# Altium PCB GameBoard_V1I1.PcbDoc (part 10 of 22) (continued)
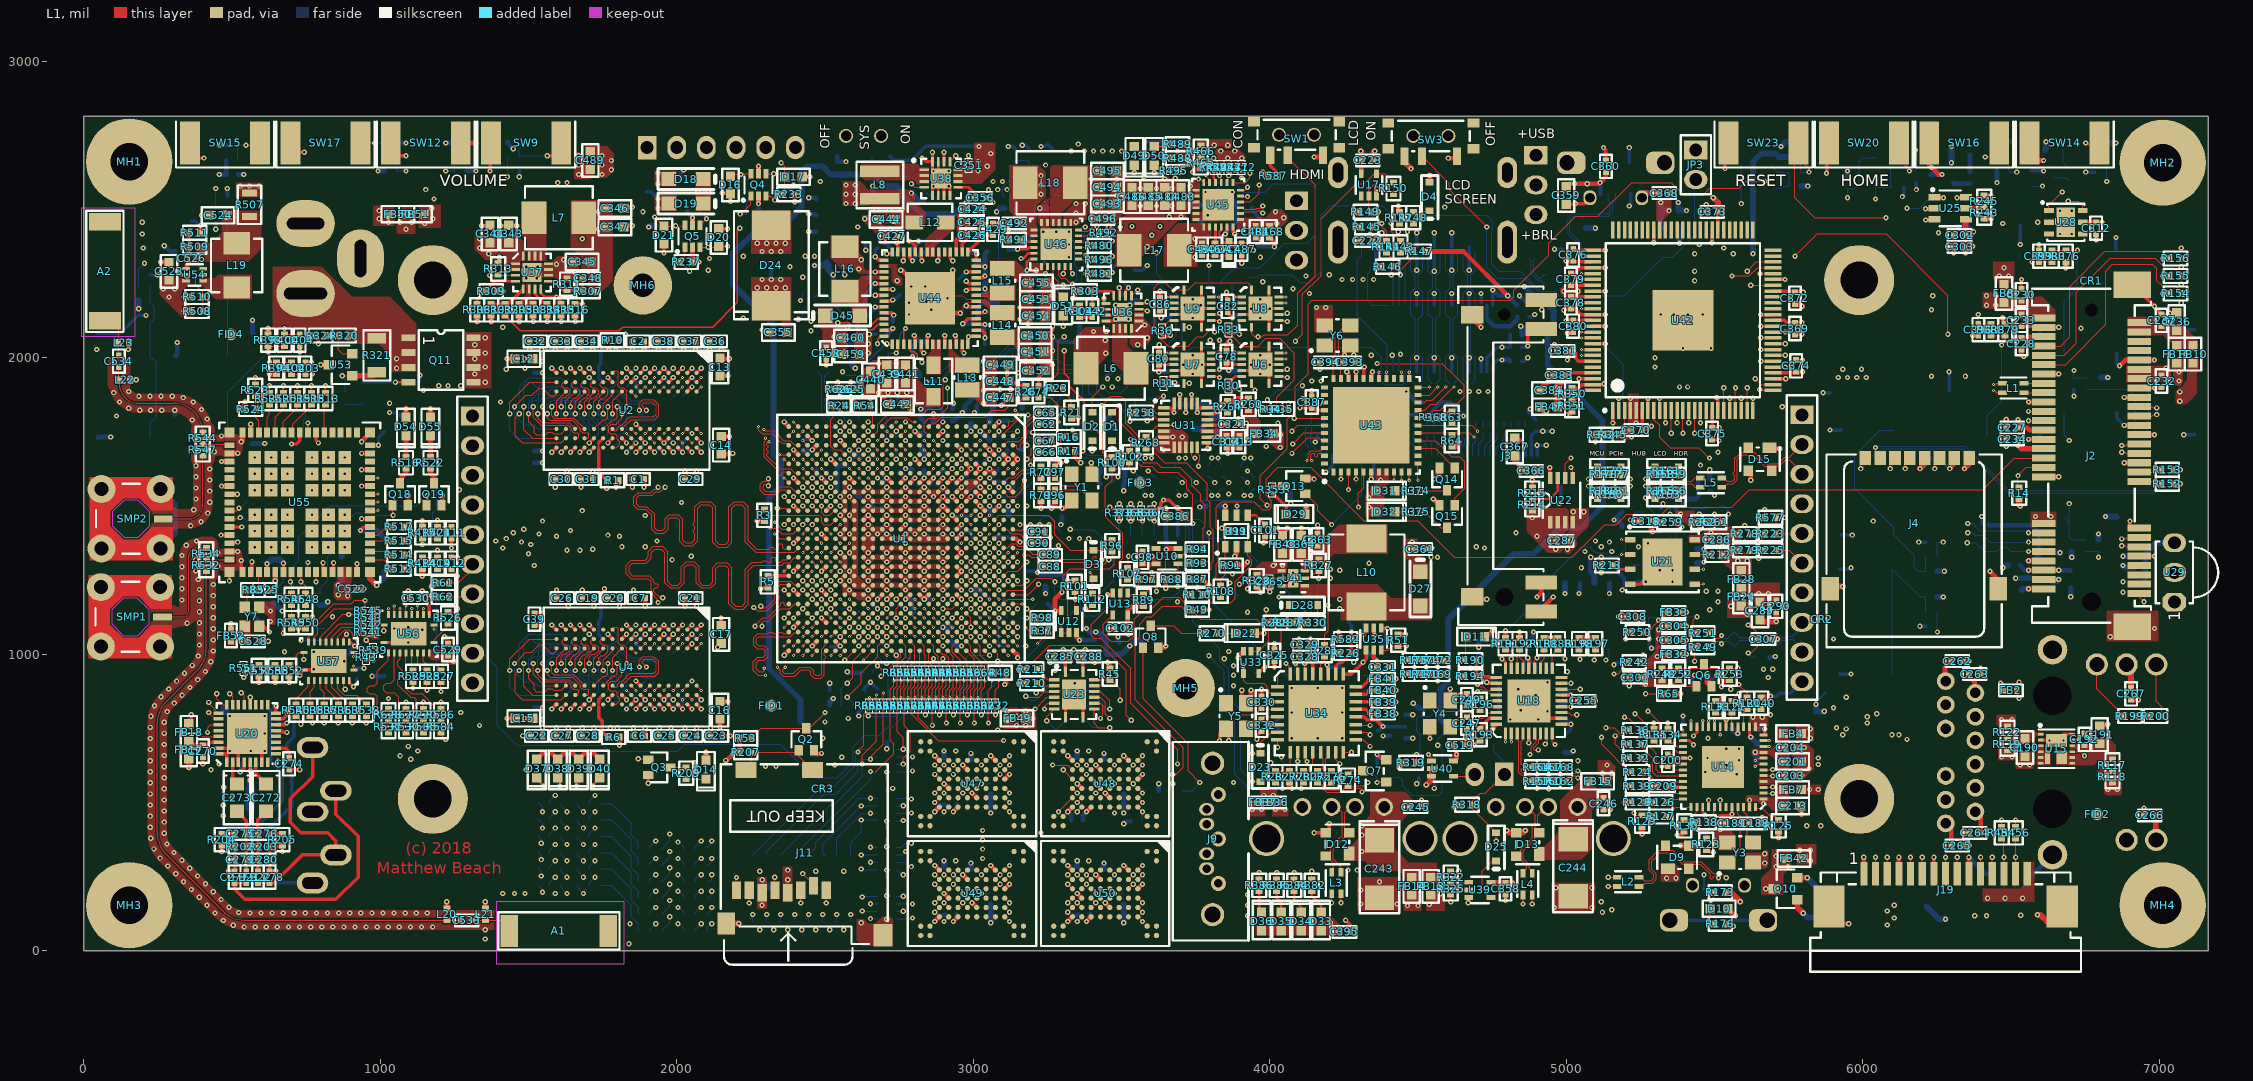
[diagram p0: L1 view]
## Nets (pads, with @x,y where several pads share a name; then routed paths per layer and width w, separated by ;. In a path a pad name is that pad's centre, name@x,y a point inside that pad or via, vN(x,y) a via of type N, cw(c..) or ccw(c..) an arc to the next point about the centre after c; other vN are vias at no path point) (continued)
  L2 w3.15: v3(2519.69,1279.53) v4(2531.5,1267.72)
  L12 w3.15: v2(1736.22,968.5) 1736.29,938.98 1767.78,907.48 1767.78,877.95 U5.L2@1752.03,862.2 ; v2(1736.22,1834.65) 1736.29,1805.12 1767.78,1773.62 1767.78,1744.09 U3.L2@1752.03,1728.35
DRAM_D0: U1.AD2 U2.D7 | length 687.5
  L1 w3.15: v3(1956.69,1744.1) U2.D7@1972.44,1759.84 ; U1.AD2@2409.45,1736.22 v3(2425.2,1751.97)
  L3 w3.15: v4(1972.44,1728.35) 1972.44,1672.24 2010.83,1633.86 2260.15,1633.86 2287.71,1661.42 2398.16,1661.42 2425.2,1688.46 2425.2,1712.6 2413.39,1724.41 v4(2413.39,1740.16)
  L2 w3.15: v3(1956.69,1744.1) v4(1972.44,1728.35) ; v4(2413.39,1740.16) v3(2425.2,1751.97)
DRAM_D1: U1.AE2 U2.B8 | length 689.7
  L1 w3.15: v4(2035.43,1728.35) v3(2051.18,1712.6) ; U1.AE2@2377.95,1736.22 v3(2393.7,1751.97)
  L3 w3.15: v4(2035.43,1728.35) 2066.93,1696.85 2102.36,1696.85 2121.17,1678.04 2121.17,1663.49 2135.05,1649.61 2204.11,1649.61 2210.01,1655.51 2210.01,1695.48 2215.92,1701.39 2227.73,1701.39 2233.63,1695.48 2233.63,1655.51 2239.54,1649.61 2250,1649.61 2255.91,1655.51 2255.91,1699.8 2260.83,1704.73 2272.64,1704.73 2277.56,1699.8 2277.56,1686.02 2282.48,1681.1 2293.31,1681.1 2299.21,1687.01 2299.21,1696.85 2305.12,1702.76 2317.91,1702.76 2322.83,1697.83 2322.83,1690.93 2328.74,1685.03 2340.55,1685.03 2346.46,1690.93 2346.46,1698.82 2356.3,1708.66 2365.16,1708.66 2381.89,1725.39 v4(2381.89,1740.16)
  L2 w3.15: v4(2035.43,1728.35) v3(2051.18,1712.6) ; v4(2381.89,1740.16) v3(2393.7,1751.97)
DRAM_D2: U1.AC4 U2.C8 | length 688.6
  L1 w3.15: v4(2003.94,1728.35) v3(2019.68,1712.6) ; v3(2425.2,1688.98) U1.AC4@2440.94,1673.23
  L3 w3.15: v4(2003.94,1728.35) 2018.7,1728.35 2029.53,1717.52 2029.53,1706.69 2019.68,1696.85 2011.81,1696.85 2003.94,1688.98 2003.94,1657.48 2019.68,1641.73 2030.51,1641.73 2036.42,1647.64 2036.42,1655.68 2042.32,1661.58 2054.13,1661.58 2060.04,1655.68 2060.04,1647.64 2065.95,1641.73 2077.76,1641.73 2083.66,1647.64 2083.66,1655.68 2089.57,1661.58 2101.38,1661.58 2107.28,1655.68 2107.28,1647.64 2113.19,1641.73 2256.89,1641.73 2284.45,1669.29 2394.89,1669.29 2413.39,1687.78 v4(2413.39,1700.79)
  L2 w3.15: v4(2003.94,1728.35) v3(2019.68,1712.6) ; v4(2413.39,1700.79) v3(2425.2,1688.98)
DRAM_D3: U1.AA5 U2.A3 | length 690.1
  L1 w3.15: U2.A3@2066.93,1885.83 v3(2082.68,1901.57) ; v3(2488.19,1657.48) U1.AA5@2503.94,1641.73
  L3 w3.15: v4(2098.42,1917.32) 2098.42,1926.18 2125.98,1953.74 2329.72,1953.74 2480.32,1803.15 2480.32,1736.34 2488.19,1728.47 2488.19,1695.9 2476.38,1684.09 v4(2476.38,1669.29)
  L2 w3.15: v3(2082.68,1901.57) v4(2098.42,1917.32) ; v4(2476.38,1669.29) v3(2488.19,1657.48)
DRAM_D4: U1.AC1 U2.C2 | length 690.1
  L1 w3.15: v4(2003.94,1917.32) v3(2019.68,1933.07) ; U1.AC1@2440.94,1767.72 v3(2456.69,1751.97)
  L3 w3.15: v4(2003.94,1917.32) 2034.45,1886.81 2057.3,1886.81 2065.17,1894.68 2111.22,1894.68 2129.92,1913.39 2185.04,1913.39 2204.72,1933.07 2256.76,1933.07 2262.67,1927.17 2262.67,1912.89 2268.58,1906.98 2280.39,1906.98 2286.29,1912.89 2286.29,1927.17 2292.2,1933.07 2302.17,1933.07 2337.01,1898.23 2353.74,1898.23 2444.88,1807.09 v4(2444.88,1763.78)
  L2 w3.15: v4(2003.94,1917.32) v3(2019.68,1933.07) ; v4(2444.88,1763.78) v3(2456.69,1751.97)
DRAM_D5: U1.AD1 U2.C3 | length 689.1
  L1 w3.15: v4(2003.94,1885.83) v3(2019.68,1901.57) ; v3(2393.7,1783.47) U1.AD1@2409.45,1767.72
  L3 w3.15: v4(2003.94,1885.83) 2010.83,1878.94 2060.56,1878.94 2065.48,1883.86 2121.06,1883.86 2129.92,1892.72 2129.92,1899.22 2135.83,1905.13 2147.64,1905.13 2153.54,1899.22 2153.54,1885.23 2159.45,1879.32 2171.26,1879.32 2177.17,1885.23 2177.17,1899.22 2183.07,1905.13 2194.88,1905.13 2200.79,1899.22 2200.79,1885.23 2206.69,1879.32 2218.5,1879.32 2224.41,1885.23 2224.41,1909.06 2230.31,1914.97 2242.13,1914.97 2248.03,1909.06 2248.03,1896.26 2253.94,1890.35 2345.19,1890.35 2405.51,1830.03 v4(2405.51,1771.65)
  L2 w3.15: v4(2003.94,1885.83) v3(2019.68,1901.57) ; v3(2393.7,1783.47) v4(2405.51,1771.65)
DRAM_D6: U1.AB4 U2.A2 | length 688.2
  L1 w3.15: v4(2066.93,1917.32) v3(2082.68,1933.07) ; U1.AB4@2472.44,1673.23 v3(2488.19,1688.98)
  L3 w3.15: v4(2066.93,1917.32) 2079.72,1904.53 2107.28,1904.53 2126.97,1924.21 2180.12,1924.21 2200.79,1944.88 2284.53,1944.88 2296.34,1944.88 2319.96,1944.88 2327.45,1944.88 2331.62,1940.71 2331.62,1932.35 2329.29,1930.02 2329.29,1921.67 2337.64,1913.31 2345.99,1913.31 2348.33,1915.65 2356.68,1915.65 2386.16,1886.16 2464.57,1807.76 2464.57,1736.22 2476.38,1724.41 v4(2476.38,1700.79)
  L2 w3.15: v4(2066.93,1917.32) v3(2082.68,1933.07) ; v4(2476.38,1700.79) v3(2488.19,1688.98)
DRAM_D7: U1.AE4 U2.A7 | length 690
  L1 w3.15: v4(2066.93,1759.84) v3(2082.68,1744.1) ; v3(2346.46,1673.23) U1.AE4@2377.95,1673.23
  L3 w3.15: v4(2066.93,1759.84) 2066.93,1750.98 2100.79,1717.13 2115.55,1717.13 2121.46,1723.03 2121.46,1737.21 2127.36,1743.12 2139.17,1743.12 2145.08,1737.21 2145.08,1670.93 2150.99,1665.02 2162.8,1665.02 2168.7,1670.93 2168.7,1709.06 2176.18,1716.53 2338.58,1716.53 2346.46,1724.41 2346.46,1744.09 2354.33,1751.97 2389.76,1751.97 2397.64,1744.09 2397.64,1724.41 2397.64,1715.97 2366.7,1685.04 v4(2358.27,1685.04)
  L2 w3.15: v4(2066.93,1759.84) v3(2082.68,1744.1) ; v3(2346.46,1673.23) v4(2358.27,1685.04)
DRAM_D8: U1.AD5 U2.E3 | length 1117.4
  L1 w3.15: v4(1940.94,1885.83) v3(1956.69,1901.57) ; v3(2393.7,1657.48) U1.AD5@2409.45,1641.73
  L3 w3.15: v4(1940.94,1885.83) v3(1956.69,1901.57) 1970.47,1901.57 1977.36,1908.46 1977.36,1920.28 1972.44,1925.2 1972.44,1972.44 1981,1981 2149.6,1981 2158.16,1972.44 2193.9,1972.44 2199.8,1972.44 2205.71,1978.35 2205.71,1984.56 2211.61,1990.47 2223.43,1990.47 2229.33,1984.56 2229.33,1978.35 2235.24,1972.44 2247.05,1972.44 2252.95,1978.35 2252.95,1984.56 2258.86,1990.47 2270.67,1990.47 2276.57,1984.56 2276.57,1978.35 2282.48,1972.44 2294.29,1972.44 2300.2,1978.35 2300.2,1984.56 2306.1,1990.47 2317.91,1990.47 2323.82,1984.56 2323.82,1978.35 2329.72,1972.44 2496.06,1806.1 2496.06,1692.63 2488.19,1684.76 2488.19,1664.4 2481.27,1657.48 2468.5,1657.48 2452.76,1673.23 2433.07,1673.23 2425.2,1665.35 2425.2,1652.8 2418.06,1645.67 v4(2405.51,1645.67)
  L2 w3.15: v4(1940.94,1885.83) v3(1956.69,1901.57) ; v3(2393.7,1657.48) v4(2405.51,1645.67)
DRAM_D9: U1.AE5 U2.F7 | length 1114
  L1 w3.15: v3(1893.7,1744.1) v4(1909.45,1759.84) ; v3(2362.2,1657.48) U1.AE5@2377.95,1641.73
  L3 w3.15: v4(1909.45,1759.84) 1929.13,1740.16 1929.13,1706.69 1919.29,1696.85 1822.83,1696.85 1814.96,1688.98 1814.96,1675.97 1825.58,1665.35 1855.1,1665.35 1861.01,1659.45 1861.01,1616.5 1866.92,1610.59 1878.73,1610.59 1884.63,1616.5 1884.63,1659.45 1890.54,1665.35 1927.63,1665.35 1931.8,1661.18 1931.8,1652.83 1906.17,1627.19 1906.17,1618.84 1914.52,1610.49 1922.87,1610.49 1968.54,1656.16 1976.89,1656.16 1985.24,1647.8 1985.24,1639.45 1973.56,1627.77 1973.56,1619.42 1989.98,1603 2247.68,1603 2290.35,1645.67 v4(2374.02,1645.67)
  L2 w3.15: v3(1893.7,1744.1) v4(1909.45,1759.84) ; v3(2362.2,1657.48) v4(2374.02,1645.67)
DRAM_D10: U1.AA6 U2.G2 | length 1117.8
  L1 w3.15: v3(1862.21,1901.58) v4(1877.95,1917.32) ; v3(2488.19,1625.98) U1.AA6@2503.94,1610.24
  L3 w3.15: v4(1877.95,1917.32) 1877.95,1972.44 1893.7,1988.19 1918.31,2012.8 2155.98,2012.8 2163.85,2020.67 2332.89,2020.67 2519.69,1833.88 2519.69,1693.59 2534.45,1678.83 2534.45,1648.62 v4(2500,1614.17)
  L2 w3.15: v3(1862.21,1901.58) v4(1877.95,1917.32) ; v3(2488.19,1625.98) v4(2500,1614.17)
DRAM_D11: U1.AE7 U2.H7 | length 1117.2
  L1 w3.15: v4(1846.46,1759.84) v3(1862.2,1744.1) ; v3(2362.2,1594.49) U1.AE7@2377.95,1578.74
  L3 w3.15: v4(1846.46,1759.84) 1846.46,1785.43 1836.61,1795.28 1735.05,1795.28 1720.47,1780.7 1720.47,1637.96 1780.67,1577.76 1966.75,1577.76 1977.57,1566.93 2263.57,1566.93 2306.88,1610.24 2324.8,1610.24 2330.71,1604.33 2330.71,1586.61 2334.65,1582.68 2346.46,1582.68 2354.33,1590.55 2366.14,1590.55 v4(2374.02,1582.68)
  L2 w3.15: v4(1846.46,1759.84) v3(1862.2,1744.1) ; v3(2362.2,1594.49) v4(2374.02,1582.68)
DRAM_D12: U1.AB5 U2.H3 | length 1113.3
  L1 w3.15: v4(1846.46,1885.83) v3(1862.2,1870.08) ; v3(2456.69,1657.48) U1.AB5@2472.44,1641.73
  L3 w3.15: v4(1846.46,1885.83) 1846.46,1893.7 1854.33,1901.57 1933.07,1901.57 1940.95,1909.45 1940.95,1972.44 1960.63,1992.13 2149.61,1992.13 2160.43,1981.3 2183.28,1981.3 2205.92,2003.94 2321.06,2003.94 2503.94,1821.06 2503.94,1689.37 2496.06,1681.5 2496.06,1661.14 2480.59,1645.67 v4(2468.5,1645.67)
  L2 w3.15: v4(1846.46,1885.83) v3(1862.2,1870.08) ; v3(2456.69,1657.48) v4(2468.5,1645.67)
DRAM_D13: U1.AC5 U2.F2 | length 1117.2
  L1 w3.15: v4(1909.45,1917.32) v3(1925.2,1933.07) ; v3(2425.2,1657.48) U1.AC5@2440.94,1641.73
  L3 w3.15: v4(1909.45,1917.32) 1921.26,1929.13 1921.26,1941.93 1910.43,1952.76 1910.43,1977.36 1917.32,1984.25 1937.01,1984.25 1955.76,2003 2157.32,2003 2167.11,2012.8 2326.2,2012.8 2511.81,1827.19 2511.81,1679.19 2503.94,1671.32 2503.94,1635.83 2497.05,1628.94 2455.82,1628.94 2439.09,1645.67 v4(2437.01,1645.67)
  L2 w3.15: v4(1909.45,1917.32) v3(1925.2,1933.07) ; v3(2425.2,1657.48) v4(2437.01,1645.67)
DRAM_D14: U1.AB6 U2.F8 | length 1136.9
  L1 w3.15: v4(1909.45,1728.35) v3(1925.2,1712.6) ; v3(2456.69,1625.98) U1.AB6@2472.44,1610.24 v3(2456.69,1625.98)
  L3 w3.15: v4(1909.45,1728.35) 1825.58,1728.35 1779.53,1682.3 1779.53,1615.24 1792.4,1602.36 1803.15,1602.36 1809.06,1602.36 1814.96,1608.27 1814.96,1649.68 1820.87,1655.59 1832.68,1655.59 1838.58,1649.68 1838.58,1608.27 1844.49,1602.36 1862.2,1602.36 1909.45,1602.36 1979.48,1602.36 1987.84,1594 2252.46,1594 2292.32,1633.86 2439.76,1633.86 2459.45,1614.17 v4(2468.5,1614.17)
  L2 w3.15: v4(1909.45,1728.35) v3(1925.2,1712.6) ; v3(2456.69,1625.98) v4(2468.5,1614.17)
DRAM_D15: U1.AC7 U2.H8 | length 1116.9
  L1 w3.15: v3(1830.71,1744.09) U2.H8@1846.46,1728.35 ; v3(2425.2,1594.49) U1.AC7@2440.94,1578.74
  L3 w3.15: v4(1814.96,1759.84) 1822.83,1767.72 1822.83,1777.42 1816.79,1783.46 1791.34,1783.46 1783.46,1775.59 1783.46,1759.84 1775.59,1751.97 1767.72,1751.97 1760.04,1759.65 1760.04,1775.39 1751.97,1783.46 1740.16,1783.46 1732.45,1775.75 1732.45,1759.84 1740.16,1752.13 1740.16,1744.09 1732.45,1736.38 1732.45,1640.05 1785.88,1586.61 1970.39,1586.61 1981,1576 2259.07,1576 2301.18,1618.11 2349.72,1618.11 2358.58,1609.25 2410.43,1609.25 v4(2413.39,1606.3)
  L2 w3.15: v4(1814.96,1759.84) v3(1830.71,1744.09) ; v4(2413.39,1606.3) v3(2425.2,1594.49)
DRAM_D16: U1.AB7 U3.E3 | length 1122.3
  L1 w3.15: v2(2456.69,1594.49) U1.AB7@2472.44,1578.74
  L10 w3.15: v6(1940.94,1759.84) 1952.76,1748.03 1976.38,1748.03 1984.25,1740.16 1984.25,1729.54 1972.44,1717.73 1972.44,1673.23 1960.63,1661.42 1960.63,1649.61 2011.81,1598.43 2031.5,1598.43 2247.17,1382.76 2260.77,1382.76 ; 2260.91,1382.62 2266.6,1388.32 2266.6,1399.58 2272.44,1405.42 2284.11,1405.42 2289.95,1399.58 2289.95,1388.32 2295.79,1382.48 2307.46,1382.48 2313.3,1388.32 2313.3,1399.58 2319.13,1405.42 2445.99,1405.42 2472.44,1431.88 2472.44,1444.88 2464.57,1452.76 2464.57,1472.44 2476.38,1484.25 2497.05,1484.25 2504.92,1492.13 2504.92,1503.95 2502.95,1505.92 2502.95,1506.12 2494.3,1514.76 2481.3,1514.76 2472.44,1523.62 2472.44,1568.12 2456.69,1583.87 v2(2456.69,1594.49)
  L11 w3.15: v5(1925.2,1744.09) v6(1940.94,1759.84)
  L12 w3.15: v5(1925.2,1744.09) v6(1940.94,1759.84)
DRAM_D17: U1.AA8 U3.F8 | length 1124.1
  L1 w3.15: v2(2488.19,1562.99) U1.AA8@2503.94,1547.24
  L10 w3.15: v6(1909.45,1917.32) 1889.76,1897.64 1881.89,1897.64 1874.02,1905.51 1874.02,1921.95 1878.94,1926.88 1878.94,1976.69 1915.05,2012.8 2156.56,2012.8 2156.72,2012.96 ; 2156.53,2013.15 2170.94,2027.56 2213.27,2027.56 2425.2,1815.64 2425.2,1748.03 2421.26,1744.09 2421.26,1720.47 2429.13,1712.6 2429.13,1662.87 2473.42,1618.58 2473.42,1588.37 2488.19,1573.61 v2(2488.19,1562.99)
  L11 w3.15: v6(1909.45,1917.32) v5(1925.2,1933.07)
  L12 w3.15: v6(1909.45,1917.32) v5(1925.2,1933.07)
DRAM_D18: U1.AB9 U3.H7 | length 1123.8
  L1 w3.15: v2(2456.69,1531.5) U1.AB9@2472.44,1515.75
  L10 w3.15: v6(1846.46,1885.83) 1887.8,1885.83 1928.15,1845.47 1947.83,1845.47 1960.63,1858.27 1960.63,1912.4 1972.44,1924.21 1972.44,1972.44 1979.33,1979.33 2095.47,1979.33 2102.36,1972.44 2196.85,1972.44 2376.97,1792.32 2376.97,1674.21 2421.26,1629.92 2421.26,1582.68 2409.45,1570.87 2409.45,1556.1 2418.31,1547.24 2440.95,1547.24 v2(2456.69,1531.5)
  L11 w3.15: v6(1846.46,1885.83) v5(1862.2,1870.08)
  L12 w3.15: v6(1846.46,1885.83) v5(1862.2,1870.08)
DRAM_D19: U1.Y9 U3.H3 | length 1124.5
  L1 w3.15: U1.Y9@2535.43,1515.75 v2(2551.18,1500)
  L10 w3.15: v6(1846.46,1728.35) 1846.46,1740.16 1852.36,1746.06 1899.61,1746.06 1909.45,1736.22 1909.45,1655.61 1990.26,1574.8 2030.82,1574.8 2238.89,1366.73 2365.54,1366.73 2387.59,1388.78 2518.7,1388.78 2535.43,1405.51 2535.43,1421.26 2543.31,1429.13 2553.15,1429.13 2560.04,1436.02 2560.04,1443.9 2553.15,1450.79 2541.34,1450.79 2535.43,1456.69 2535.43,1473.12 2536.42,1474.1 2536.42,1474.62 2551.18,1489.38 v2(2551.18,1500)
  L11 w3.15: v6(1846.46,1728.35) v5(1862.2,1744.09)
  L12 w3.15: U3.H3@1846.46,1759.84 v5(1862.2,1744.09)
DRAM_D20: U1.Y7 U3.H8 | length 1124.1
  L1 w3.15: v2(2519.69,1562.99) U1.Y7@2535.43,1578.74
  L10 w3.15: v6(1846.46,1917.32) 1846.46,1976.38 1859.27,1989.19 1875.02,1989.19 1928.15,2042.32 2209.65,2042.32 2437.01,1814.96 2437.01,1669.29 2503.94,1602.36 2503.94,1578.74 v2(2519.69,1562.99)
  L11 w3.15: v5(1830.71,1901.58) v6(1846.46,1917.32)
  L12 w3.15: v5(1830.71,1901.58) v6(1846.46,1917.32)
DRAM_D21: U1.Y8 U3.G2 | length 1124.4
  L1 w3.15: v2(2519.69,1531.5) U1.Y8@2535.43,1547.24
  L10 w3.15: v6(1877.95,1728.35) 1877.95,1675.97 1986.99,1566.93 2027.56,1566.93 2235.63,1358.86 2399.42,1358.86 2418.52,1377.95 2551.18,1377.95 2567.91,1394.68 2567.91,1504.15 2557.3,1514.76 2547.03,1514.76 2530.3,1531.5 v2(2519.69,1531.5)
  L11 w3.15: v6(1877.95,1728.35) v5(1893.7,1744.09)
  L12 w3.15: v6(1877.95,1728.35) v5(1893.7,1744.09)
DRAM_D22: U1.AC8 U3.F7 | length 1123.2
  L1 w3.15: v2(2425.2,1562.99) U1.AC8@2440.94,1547.24
  L10 w3.15: v6(1909.45,1885.83) 1925.2,1870.08 1944.88,1870.08 1952.76,1877.95 1952.76,1907.48 1940.95,1919.29 1940.95,1984.25 1950.79,1994.09 2101.38,1994.09 2115.16,1980.31 2130.91,1980.31 2140.75,1990.16 2156.5,1990.16 2166.34,1980.31 2200.79,1980.31 2278.25,1902.86 2287.97,1902.86 2296.33,1911.21 2304.58,1911.21 2312.84,1902.96 2312.84,1894.7 2304.48,1886.35 2304.48,1878.09 2312.73,1869.84 2320.99,1869.84 2329.35,1878.2 2337.6,1878.2 2345.85,1869.94 2345.85,1861.69 2337.5,1853.33 2337.5,1845.08 2345.75,1836.82 2354.01,1836.82 2362.36,1845.18 2370.62,1845.18 2378.87,1836.92 2378.87,1828.67 2370.51,1820.31 2370.51,1812.06 2389.76,1792.81 2389.76,1716.54 2409.72,1696.57 2409.72,1660.01 2429.13,1640.6 2429.13,1566.93 v2(2425.2,1562.99)
  L11 w3.15: v5(1893.7,1901.57) v6(1909.45,1885.83)
  L12 w3.15: v5(1893.7,1901.57) v6(1909.45,1885.83)
DRAM_D23: U1.AA9 U3.F2 | length 1121.9
  L1 w3.15: v2(2488.19,1531.5) U1.AA9@2503.94,1515.75
  L10 w3.15: v6(1940.94,1728.35) 1933.07,1720.47 1933.07,1700.79 1940.94,1692.91 1940.94,1675.81 1931.8,1666.66 1931.8,1646.94 1952.76,1625.98 1968.5,1625.98 1980.32,1614.17 1980.32,1598.43 1992.13,1586.61 2032.17,1586.61 2243.63,1375.16 ; 2243.63,1374.88 2243.9,1374.61 2315.55,1374.61 2337.6,1396.65 2452.97,1396.65 2477.57,1421.26 2496.06,1421.26 2507.87,1409.45 2519.69,1409.45 2527.56,1417.32 2527.56,1437.01 2519.68,1444.88 2492.13,1444.88 2484.25,1452.76 2484.25,1460.63 2492.13,1468.5 2519.68,1468.5 2527.56,1476.38 2527.56,1487 2535.43,1494.87 2535.43,1506.58 2526.27,1515.75 2514.55,1515.75 2498.81,1531.5 v2(2488.19,1531.5)
  L11 w3.15: v5(1925.2,1712.6) v6(1940.94,1728.35)
  L12 w3.15: U3.F2@1909.45,1728.35 v5(1925.2,1712.6)
DRAM_D24: U1.AE9 U3.D7 | length 824.9
  L1 w3.15: v2(2362.2,1531.5) U1.AE9@2377.95,1515.75
  L10 w3.15: v6(1972.44,1885.83) 1992.13,1905.51 2014.76,1905.51 2033.46,1886.81 2057.3,1886.81 2076,1905.51 2082.68,1905.51 2107.2,1905.51 2113.11,1899.61 2113.11,1888.78 2119.01,1882.87 2130.82,1882.87 2136.73,1888.78 2136.73,1899.61 2142.64,1905.51 2154.45,1905.51 2160.35,1899.61 2160.35,1888.78 2166.26,1882.87 2178.07,1882.87 2183.97,1888.78 2183.97,1899.61 2189.88,1905.51 2195.79,1905.51 2204.72,1905.51 2314.96,1795.28 2314.96,1645.67 2361.93,1598.7 2361.93,1531.77 v2(2362.2,1531.5)
  L11 w3.15: v5(1956.69,1901.57) v6(1972.44,1885.83)
  L12 w3.15: v5(1956.69,1901.57) v6(1972.44,1885.83)
DRAM_D25: U1.Y10 U3.A7 | length 826.4
  L1 w3.15: v2(2488.19,1500) 2488.19,1476.38 2496.06,1468.5 2515.75,1468.5 2531.5,1484.25 U1.Y10@2535.43,1484.25
  L10 w3.15: v6(2098.43,1917.32) 2108.27,1927.17 2130.82,1927.17 2142.64,1915.35 2206.02,1915.35 2322.83,1798.54 2322.83,1649.61 2369.8,1602.64 2369.8,1579.02 2382.87,1565.94 2382.87,1548.23 2378.94,1544.29 2378.94,1525.38 2388.57,1515.75 2461.82,1515.75 2477.57,1500 v2(2488.19,1500)
  L11 w3.15: v5(2082.68,1901.57) v6(2098.43,1917.32)
  L12 w3.15: U3.A7@2066.93,1885.83 v5(2082.68,1901.57)
DRAM_D26: U1.AE11 U3.C3 | length 825.4
  L1 w3.15: v2(2362.2,1437.01) U1.AE11@2377.95,1452.76
  L10 w3.15: v6(2003.94,1759.84) 1996.06,1767.72 1996.06,1775.59 2007.87,1787.4 2043.31,1787.4 2051.18,1779.53 2051.18,1767.72 2030.51,1747.05 2030.51,1717.52 2051.18,1696.85 2087.81,1696.85 2098.43,1686.23 2098.43,1673.23 2090.55,1665.35 2066.93,1665.35 2059.06,1657.48 2059.06,1643.7 2066.93,1635.83 2080.71,1635.83 2086.61,1629.92 2086.61,1582.68 2094.49,1574.8 2125.98,1574.8 2133.86,1566.93 2133.86,1528.23 2240.83,1421.26 2346.46,1421.26 v2(2362.2,1437.01)
  L11 w3.15: v5(1988.19,1744.09) v6(2003.94,1759.84)
  L12 w3.15: v5(1988.19,1744.09) v6(2003.94,1759.84)
DRAM_D27: U1.AB11 U3.C2 | length 826.9
  L1 w3.15: v2(2456.69,1437.01) U1.AB11@2472.44,1452.76
  L10 w3.15: v6(2003.94,1728.35) 2003.94,1702.76 2009.84,1696.85 2027.56,1696.85 2035.43,1688.98 2035.43,1668.88 2029.6,1663.04 1988.19,1663.04 1982.35,1657.2 1982.35,1645.53 1988.19,1639.69 2000,1639.69 2005.84,1633.86 2019.68,1633.86 2025.52,1639.69 2036.49,1639.69 2043.31,1632.87 2043.31,1606.3 2049.7,1599.9 2061.52,1599.9 2069.88,1591.54 2069.88,1579.72 2236.22,1413.39 2433.07,1413.39 v2(2456.69,1437.01)
  L11 w3.15: v6(2003.94,1728.35) v5(2019.68,1744.09)
  L12 w3.15: v6(2003.94,1728.35) v5(2019.68,1744.09)
DRAM_D28: U1.AC9 U3.C8 | length 824.3
  L1 w3.15: v2(2425.2,1531.5) U1.AC9@2440.94,1515.75
  L10 w3.15: v6(2003.94,1917.32) 2003.94,1940.94 2010.83,1947.83 2020.67,1947.83 2027.56,1940.94 2037.4,1940.94 2045.28,1948.82 2056.31,1948.82 2061.62,1954.13 2072.24,1954.13 2077.55,1948.82 2094.49,1948.82 2099.41,1953.74 2189.9,1953.74 2347.44,1796.2 2347.44,1774.88 2366.14,1756.18 2366.14,1664.29 2401.57,1628.86 2401.57,1608.27 2409.45,1600.39 2409.45,1587.02 2401.57,1579.15 2401.57,1544.5 2414.58,1531.5 v2(2425.2,1531.5)
  L11 w3.15: v5(1988.19,1901.58) v6(2003.94,1917.32)
  L12 w3.15: v5(1988.19,1901.58) v6(2003.94,1917.32)
DRAM_D29: U1.AD9 U3.B8 | length 825
  L1 w3.15: v2(2393.7,1531.5) U1.AD9@2409.45,1515.75
  L10 w3.15: v6(2035.43,1917.32) 2067.91,1917.32 2088.58,1937.99 2142.78,1937.99 2156.56,1924.21 2208.29,1924.21 2338.86,1793.65 2338.86,1771.65 2354.61,1755.91 2354.61,1741.37 2348.77,1735.53 2338.8,1735.53 2332.96,1729.69 2332.96,1718.02 2338.8,1712.18 2348.77,1712.18 2354.61,1706.35 2354.61,1694.68 2348.77,1688.84 2338.8,1688.84 2332.96,1683 2332.96,1671.33 2338.8,1665.49 2348.77,1665.49 2354.61,1659.66 2354.61,1653.82 2346.46,1645.67 2346.46,1637.8 2354.33,1629.92 2362.2,1629.92 2370.08,1637.8 2379.33,1637.8 2390.75,1626.38 2390.75,1615.16 2378.94,1603.35 2378.94,1588.37 2393.7,1573.61 v2(2393.7,1531.5)
  L11 w3.15: v5(2019.69,1933.07) v6(2035.43,1917.32)
  L12 w3.15: v5(2019.69,1933.07) v6(2035.43,1917.32)
DRAM_D30: U1.AD11 U3.A2 | length 824.8
  L1 w3.15: v2(2393.7,1437.01) U1.AD11@2409.45,1452.76
  L10 w3.15: v6(2066.93,1728.35) 2096.46,1728.35 2114.17,1710.63 2114.17,1601.3 2136.27,1579.2 2158.09,1579.2 2165.89,1571.4 2165.89,1563.52 2141.73,1539.37 2141.73,1531.5 2149.8,1523.43 2158.05,1523.43 2181.83,1547.21 2190.08,1547.21 2198.33,1538.95 2198.33,1530.7 2174.56,1506.92 2174.56,1498.67 2182.81,1490.42 2191.07,1490.42 2220.61,1519.96 2228.87,1519.96 2237.12,1511.71 2237.12,1503.45 2207.58,1473.91 2207.58,1465.65 2244.09,1429.13 2326.77,1429.13 2349.41,1451.77 2368.32,1451.77 2383.08,1437.01 v2(2393.7,1437.01)
  L11 w3.15: v5@2051.18,1712.6 v6(2066.93,1728.35)
  L12 w3.15: v5(2051.18,1712.6) v6(2066.93,1728.35)
DRAM_D31: U1.AC11 U3.A3 | length 823.5
  L1 w3.15: v2(2425.2,1437.01) U1.AC11@2440.94,1452.76
  L10 w3.15: v6(2066.93,1759.84) 2086.61,1759.84 2125.98,1720.47 2125.98,1602.36 2137.8,1590.55 2166.03,1590.55 2221.15,1535.43 2275.59,1535.43 2285.95,1525.08 2285.95,1512.89 2252.83,1479.77 2252.83,1471.51 2259.81,1464.53 2267.72,1464.57 2303.15,1500 2314.96,1500 2322.83,1492.13 2322.83,1483.74 2296.27,1457.18 2296.27,1448.92 2304.25,1440.94 2312.51,1440.94 2312.78,1440.67 2334.71,1462.6 2372.05,1462.6 2380.91,1453.74 2420.28,1453.74 2425.2,1448.82 v2(2425.2,1437.01)
  L11 w3.15: v6(2066.93,1759.84) v5(2082.68,1744.09)
  L12 w3.15: v6(2066.93,1759.84) v5(2082.68,1744.09)
DRAM_D32: U1.AA17 U5.E3 | length 1225
  L1 w3.15: v2(2488.19,1248.03) U1.AA17@2503.94,1263.78
  L10 w3.15: v6(1940.94,893.7) 1952.76,881.89 1976.38,881.89 1984.25,874.02 1984.25,866.14 1972.44,854.33 1972.44,806.1 1979.33,799.21 2092.71,799.21 2098.29,804.79 2098.29,820.92 2104.12,826.76 2115.8,826.76 2121.63,820.92 2121.63,804.79 2127.21,799.21 2139.4,799.21 2144.98,804.79 2144.98,820.92 2150.82,826.76 2162.49,826.76 2168.33,820.92 2168.33,804.79 2173.91,799.21 2186.09,799.21 2191.67,804.79 2191.67,820.92 2197.51,826.76 2209.18,826.76 2215.02,820.92 2215.02,804.79 2220.86,798.96 2306.55,798.96 2499.98,992.13 2507.87,1000.02 2507.87,1077.76 2535.43,1105.31 2535.43,1190.17 2524.82,1200.79 2510.83,1200.79 2503.94,1207.68 2503.94,1232.28 v2(2488.19,1248.03)
  L11 w3.15: v5(1925.2,877.95) v6(1940.94,893.7)
  L12 w3.15: v5(1925.2,877.95) v6(1940.94,893.7)
DRAM_D33: U1.AA18 U5.G2 | length 1226.2
  L1 w3.15: U1.AA18@2503.94,1232.28 v2(2519.69,1216.54)
  L10 w3.15: v6(1877.95,862.2) 1866.14,862.2 1854.33,874.02 1842.52,874.02 1834.65,881.89 1834.65,889.76 1842.52,897.64 1850.39,897.64 1866.14,881.89 1924.21,881.89 1941.93,864.17 1941.93,806.1 1960.63,787.4 2311.02,787.4 2519.13,995.51 2519.13,1071.38 2547.24,1099.49 2547.24,1192.91 2523.62,1216.54 v2(2519.69,1216.54)
  L11 w3.15: v6(1877.95,862.2) v5(1893.7,877.95)
  L12 w3.15: v6(1877.95,862.2) v5(1893.7,877.95)
DRAM_D34: U1.AC18 U5.F8 | length 1228.7
  L1 w3.15: v2(2425.2,1248.03) U1.AC18@2440.94,1232.28
  L10 w3.15: v6(1909.45,1051.18) 1921.26,1062.99 1921.26,1078.74 1909.45,1090.55 1909.45,1113.23 1937.95,1141.73 1955.82,1141.73 2065.78,1251.69 2088.83,1251.69 2116.66,1279.53 2125.98,1279.53 2136.81,1268.7 2145.67,1268.7 2152.56,1275.59 2152.56,1284.45 2141.73,1295.28 2141.73,1304.6 2161.87,1324.73 2181.38,1324.73 2192.15,1313.97 2192.15,1296.04 2197.98,1290.2 2209.66,1290.2 2215.49,1296.04 2215.49,1321.49 2221.33,1327.32 2233,1327.32 2238.84,1321.49 2238.84,1296.04 2244.68,1290.2 2256.35,1290.2 2262.19,1296.04 2262.19,1321.49 2268.02,1327.32 2279.7,1327.32 2285.53,1321.49 2285.53,1296.04 2291.37,1290.2 2303.04,1290.2 2308.88,1296.04 2308.88,1321.49 2314.71,1327.32 2326.39,1327.32 2332.22,1321.49 2332.22,1299.21 2338.06,1293.38 2349.73,1293.38 2355.57,1299.21 2355.57,1321.49 2361.41,1327.32 2373.08,1327.32 2383.63,1316.77 2397.55,1316.77 2408.1,1327.32 2419.77,1327.32 2425.61,1321.49 2425.61,1294.95 2431.45,1289.12 2443.12,1289.12 2448.96,1294.95 2448.96,1321.49 2454.79,1327.32 2467.95,1327.32 2472.44,1322.83 2472.44,1295.79 2425.2,1248.55 v2(2425.2,1248.03)
  L11 w3.15: v6(1909.45,1051.18) v5(1925.2,1066.93)
  L12 w3.15: v6(1909.45,1051.18) v5(1925.2,1066.93)
DRAM_D35: U1.AE19 U5.H7 | length 1224.2
  L1 w3.15: v2(2362.2,1216.54) U1.AE19@2377.95,1200.79
  L10 w3.15: v6(1846.46,1019.69) 1868.11,1019.69 1907.48,980.31 1929.13,980.31 1956.69,952.76 1986.22,952.76 1993.11,959.65 1993.11,969.49 1986.22,976.38 1964.57,976.38 1956.69,984.25 1956.69,992.13 1964.57,1000 1964.57,1007.87 1956.69,1015.75 1956.69,1041.41 1941.93,1056.17 1941.93,1073.04 1952.55,1083.66 1962.81,1083.66 1971.46,1092.31 1971.46,1127.62 2076.12,1232.28 2118.11,1232.28 2142.01,1208.38 2153.68,1208.38 2159.52,1214.22 2159.52,1233.51 2165.36,1239.35 2177.03,1239.35 2182.87,1233.51 2182.87,1214.22 2188.7,1208.38 2200.38,1208.38 2206.21,1214.22 2206.21,1233.27 2212.05,1239.1 2223.72,1239.1 2229.56,1233.27 2229.56,1219.49 2235.4,1213.65 2247.07,1213.65 2252.91,1219.49 2252.91,1230.38 2265.22,1242.7 2295.69,1242.7 2303.15,1235.24 2303.15,1223.43 2314.96,1211.61 2334.65,1211.61 2363.19,1240.16 2363.19,1257.87 2372.05,1266.73 2383.86,1266.73 2394.68,1255.91 2394.68,1237.2 2409.45,1222.44 2409.45,1208.66 2401.57,1200.79 2377.95,1200.79 v2(2362.2,1216.54)
  L11 w3.15: v6(1846.46,1019.69) v5(1862.2,1003.94)
  L12 w3.15: v6(1846.46,1019.69) v5(1862.2,1003.94)
DRAM_D36: U1.Y17 U5.H3 | length 1228.5
  L1 w3.15: U1.Y17@2535.43,1263.78 v2(2551.18,1279.53)
  L10 w3.15: v6(1846.46,862.2) 1846.46,803.15 1877.95,771.65 2318.9,771.65 2534.61,987.36 2534.61,988.04 2534.88,988.31 2534.88,1064.86 2566.93,1096.9 2566.93,1263.78 v2(2551.18,1279.53)
  L11 w3.15: v6(1846.46,862.2) v5(1862.2,877.95)
  L12 w3.15: U5.H3@1846.46,893.7 v5(1862.2,877.95)
DRAM_D37: U1.Y18 U5.F2 | length 1228.8
  L1 w3.15: v2(2519.69,1248.03) U1.Y18@2535.43,1232.28
  L10 w3.15: v6(1909.45,862.2) 1921.26,862.2 1929.13,854.33 1929.13,838.58 1921.26,830.71 1885.83,830.71 1877.95,822.83 1877.95,791.34 1885.53,783.76 1897.93,783.76 1909.45,795.28 1925.49,795.28 1941.24,779.53 2314.96,779.53 2527.01,991.57 2527.01,1068.12 2555.12,1096.23 2555.12,1212.6 v2(2519.69,1248.03)
  L11 w3.15: v6(1909.45,862.2) v5(1925.2,846.46)
  L12 w3.15: v6(1909.45,862.2) v5(1925.2,846.46)
DRAM_D38: U1.AB19 U5.H8 | length 1226.7
  L1 w3.15: v2(2456.69,1216.54) U1.AB19@2472.44,1200.79
  L10 w3.15: v6(1846.46,1051.18) 1846.46,1110.24 1862.2,1125.98 1893.7,1125.98 1925.2,1157.48 1943.48,1157.48 2053.72,1267.72 2080.09,1267.72 2155.88,1343.5 2434.06,1343.5 2444.88,1354.33 2468.5,1354.33 2476.38,1346.46 2515.75,1346.46 2527.56,1358.27 2590.55,1358.27 2598.43,1350.39 2598.43,1307.09 2586.61,1295.28 2546.05,1295.28 2514.55,1263.78 2480.31,1263.78 2472.44,1255.91 2472.44,1233.27 2456.69,1217.52 v2(2456.69,1216.54)
  L11 w3.15: v5(1830.71,1035.43) v6(1846.46,1051.18)
  L12 w3.15: v5(1830.71,1035.43) v6(1846.46,1051.18)